# KiCad board NCU.kicad_pcb (continued)
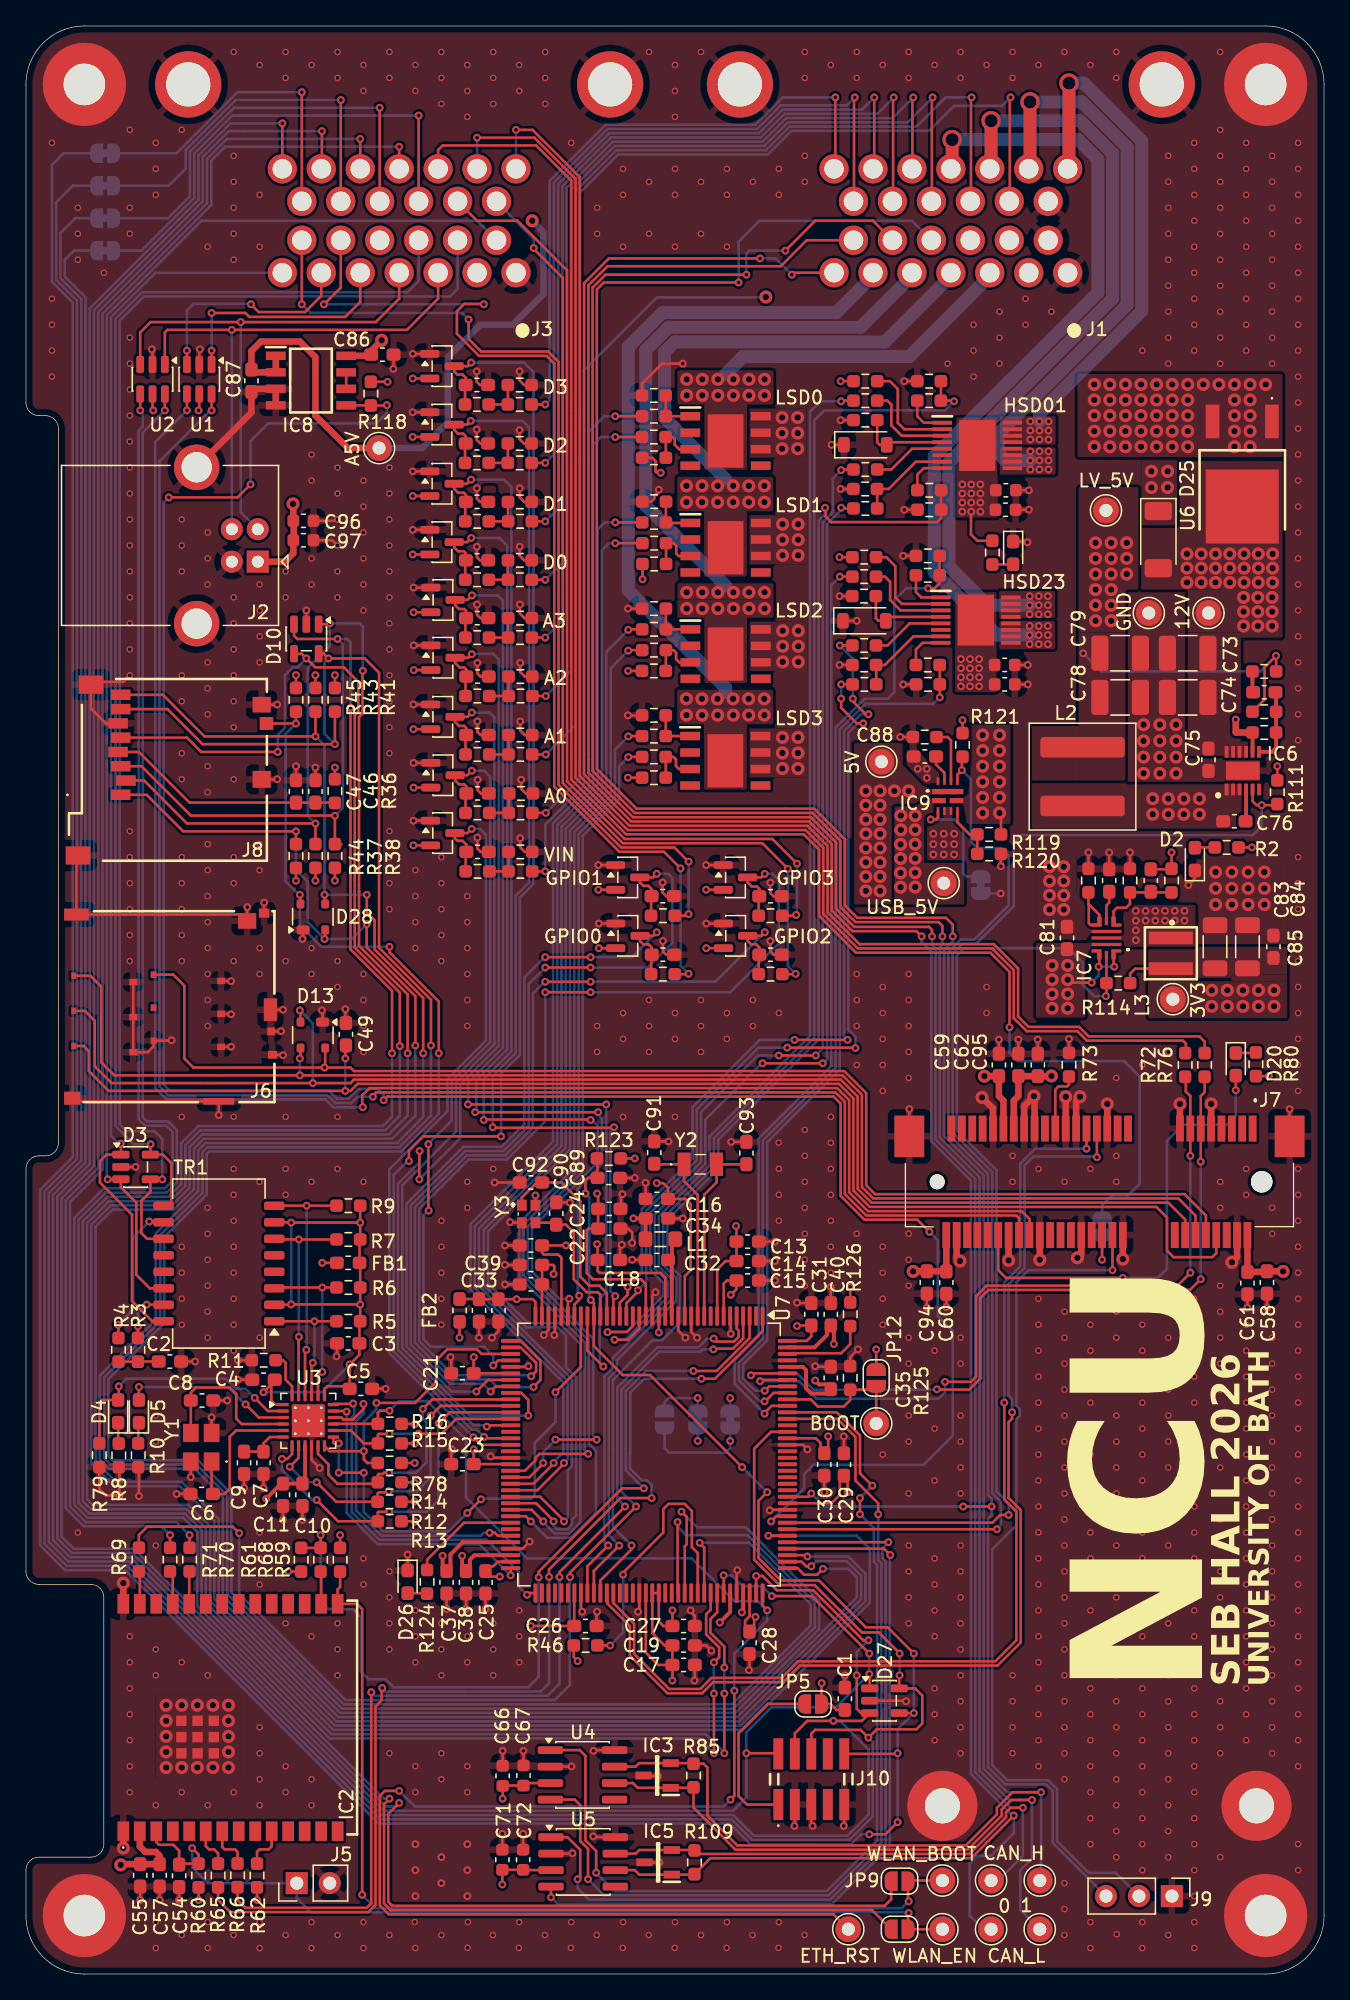
[diagram p0: board, top side]
## Routing (per net, layer and track width the routed paths; a pad name or vN(x,y) marks a point on that pad's centre or on a via; arc(x,y) is an arc through that point) (continued)
  Bottom w0.2: 82.45,62.95 77.61,62.95 76.93,62.26 76.93,54.36 75.7,53.13 75.7,44.52 75.97,44.25 75.97,43.75 75.97,43.75 v3(75.97,43.25)
/MCU/PCIE_UART_RTS: length 82.2
  Top w0.2: v3(75.37,44) 75.37,36.53 76.3,35.6 76.3,25.7 74.68,24.08 59.46,24.08 58.19,22.8 52.8,22.8 51.95,21.95 49.55,21.95 46.85,24.65 46.85,26.97 45.25,28.57 U7.85 ; J7.25 v3(81.7,63.55)
  Bottom w0.2: v3(75.37,44) 75.37,53.27 76.6,54.5 76.6,62.4 77.75,63.55 v3(81.7,63.55)
/MCU/PCIE_W_DISABLE: length 117.2
  Top w0.2: v3(60.5,37) 60.25,36.75 U7.120 ; IC9.9 71.76,92.36 v3(72.1,92.7) 72.1,93.67 72.15,93.72 ; v3(74.38,36) v3(72.2,36)
  Bottom w0.2: v3(72.1,92.7) 72.8,92 72.8,87.2 73.3,86.7 75.1,86.7 75.7,86.1 75.7,83.45 75.7,83.45 75.7,82.3 73.05,79.65 72,79.65 71.73,79.38 71.73,79.36 71.06,78.69 71.06,64.68 74.11,61.62 74.11,36.89 74.38,36.62 v3(74.38,36) 74.38,35.31 74.11,35.04 74.11,15.94 75.46,14.6 77.95,14.6 77.95,14.6 78.45,14.6 78.45,14.6 78.6,14.6 79.1,14.1 79.1,10.1 J9.3 ; v3(60.5,37) 61.5,36 v3(72.2,36)
/MCU/RCC_OSC32_IN: length 14.4
  Top w0.2: C93.1 Y2.2 53.2,60.95 52.25,60 U7.10
/MCU/RCC_OSC32_OUT: length 14.5
  Top w0.2: C91.1 48.44,62.35 Y2.1 50.7,61.05 51.75,60 U7.11 51.7,50.71
/MCU/RCC_OSC_IN: length 16.6
  Top w0.2: U7.25 44.75,52.43 44.17,53 43.4,53 42.7,53.7 42.7,59.5 41.25,60.95 C92.1 39.34,60.95 38.2,59.81 Y3.1 37.97,59.43
/MCU/RCC_OSC_OUT: length 11.1
  Top w0.2: U7.26 44.25,52.3 44.05,52.5 43.2,52.5 42.2,53.5 42.2,57.1 41.6,57.7 C90.1 ; Y3.3 40.8,57.85 40.95,57.7
/MCU/STM_NRST: length 261
  Top w0.2: 44,63 43.99,62.99 R123.2 44.04,62.75 C89.1 43.3,61.3 43.1,61.1 v3(43.1,60.1) ; v3(68.4,24.68) 66.38,26.7 64.7,26.7 61.1,30.3 58.16,30.3 56.43,32.03 56.43,36.43 v3(57.1,37.1) ; v3(64.97,10.76) 66.21,10.76 v3(67.15,11.69) ; D27.4 v3(68.4,20.09) ; v3(67.15,17) 67.1,16.95 J10.10 ; v3(55.17,39.03) 48.08,46.12 45.98,46.12 43.75,48.35 U7.27 43.75,51.66 v3(43.51,51.9)
  Bottom w0.2: v3(43.1,60.1) 43.4,59.8 43.4,52.01 v3(43.51,51.9) ; v3(68.4,24.68) v3(68.4,20.09) 67.15,18.84 v3(67.15,17) v3(67.15,11.69) ; v3(57.1,37.1) v3(55.17,39.03) ; v3(64.97,10.76) 64.32,10.76 63.56,9.99 55.81,9.99 54.21,11.59 27.16,11.59 7.65,31.1 3,31.1 1.1,33 1.1,60.4 3.6,62.9 3.6,128.71 2,130.31 2,139.3 2.9,140.2 JP4.2
/MCU/VCAP: length 81.2
  Top w0.3: v3(60.8,45.7) 61.1,45.4 61.8,45.4 62,45.2 C35.1 62,44.8 61.9,44.7 60.5,44.7 60.1,45.1 60.1,46.5 59.85,46.75 U7.140 ; U7.103 54.25,27.87 v3(53.45,27.07) ; v3(32.1,32.2) 32.1,31.3 32.38,31.03 C37.1 32.62,31.03 32.7,31.1 32.7,32.3 33.65,33.25 U7.68
  In1.Cu w0.5: 53,35.8 60.8,43.6 v3(60.8,45.7) ; 53,35.8 53,30.39 53.44,29.95 53.45,29.95 v3(53.45,27.07) 53.45,29.94 51.29,32.1 35.8,32.1 33.8,34.1 32.5,34.1 32.1,33.7 v3(32.1,32.2) ; 53,35.8 53,39.8 v3(54.25,41.05)
  Bottom w0.2: JP7.1 v3(54.25,41.05) 54.25,40.5 53.9,40.15 49.55,40.15 49.2,40.5 JP8.1
/MCU/VFBSMPS: length 13.4
  Top w0.2: U7.17 v3(48.75,49.4)
  In1.Cu w0.5: v3(54.25,44.35) 54.25,43.65 53.8,43.2 51.3,43.2 48.75,45.75 v3(48.75,49.4)
  Bottom w0.2: JP7.2 v3(54.25,44.35)
/MCU/VLXSMPS: length 6.3
  Top w0.3: L1.1 49.76,56.32 49.76,55.28 C32.1 49.75,54.69 U7.15
/MCU/VREF+: length 16.2
  Top w0.2: FB2.2 34.89,51.97 C33.1 C36.1 39.04,51.96 39.25,51.75 U7.36 ; U7.35 39.75,53.09 C41.1 C39.1 40.6,54.6 40.7,54.5 40.7,53.95 v3(40.65,53.9)
  In1.Cu w0.2: v3(37.8,51.96) 38.71,51.96 v3(40.65,53.9)
/MOD_PCIE/UART_RX: length 61
  Top w0.2: v3(70.17,45.02) 70.15,45 72.66,45 73.53,45.86 73.53,52.06 74.14,52.67 89.67,52.67 v3(90.5,53.5) ; R76.2 90.8,67.9 90.5,67.6 J7.11 v3(90.5,62.55) ; v3(55.85,46.1) 56,46.25 U7.139
  Bottom w0.2: v3(90.5,62.55) v3(90.5,53.5) ; v3(70.17,45.02) 70.15,45 60.65,45 59.4,46.25 56,46.25 v3(55.85,46.1)
/MOD_PCIE/UART_TX: length 59.2
  Top w0.2: v3(89.7,54) 88.7,53 74,53 73.2,52.2 73.2,46 72.8,45.6 v3(70.8,45.6) ; v3(56.55,45.65) 56.65,45.75 U7.138 ; v3(89.7,63) J7.13 89.7,67.6 89.35,67.95 89.35,69.04 R72.2
  Bottom w0.2: v3(56.55,45.65) 59.54,45.65 60.89,44.3 70.3,44.3 70.8,44.8 v3(70.8,45.6) ; v3(89.7,63) v3(89.7,54)
/PWR/PWR_3V3/TPS_CF: length 5.1
  Top w0.2: R115.2 81.85,82.4 81.88,82.38 ; 81.88,82.38 81.88,80.92 82.03,80.78 IC7.7 82.62,80.78 82.69,80.84 IC7.12 82.69,81.56 81.88,82.38
/PWR/PWR_3V3/TPS_FB: length 6.8
  Top w0.2: IC7.11 83.79,81.84 84.05,82.1 84.75,82.1 85.05,82.4 R117.2 R116.1 ; IC7.5 83.8,80.78 83.8,81.15
/PWR/PWR_LV_5V/LMR_FB: length 5.8
  Top w0.3: C77.2 96.31,98.65 R112.2 ; IC6.7 96,94.11 96.31,94.41 R110.1 R112.2 ; R112.2 96.37,97.14
/PWR/PWR_LV_5V/LMR_SW:
  vias: v2(86.8,90.5) v2(86.8,89.3) v2(88,90.5) v2(88,89.3) v2(89.2,90.5) v2(89.2,89.3) v2(90.4,90.5) v2(90.4,89.3)
LV_5V: length 24.7
  Top w0.2: v2(75,89.4) 75.11,89.29 R119.1 ; R113.1 96.31,101.49 v3(96.3,101.5) 95.42,100.62 95.42,98.14 R112.1 ; 81.43,101.69 v3(81.44,101.7) ; 82.17,97.74 C78.1
  Bottom w0.2: v3(81.44,101.7) 82.84,100.3 95.1,100.3 v3(96.3,101.5)
  vias: v2(73.7,95.4) v2(73.7,94.2) v2(73.7,93) v2(73.7,91.8) v2(73.7,90.6) v2(73.7,89.4) v2(75,95.4) v2(75,94.2) v2(75,93) v2(75,91.8) v2(75,90.6) v2(82.4,110.2) v2(82.4,109) v2(82.4,107.8) v2(82.4,106.6) v2(82.4,105.4) v2(82.4,104.2) v2(83.6,110.2) v2(83.6,109) v2(83.6,107.8) v2(83.6,106.6) v2(83.6,105.4) v2(83.6,104.2) v2(84.8,110.2) v2(84.8,109) v2(84.8,107.8)
USB_VBUS: length 163.7
  Top w0.2: U2.5 9.75,120.45 v3(9.8,120.4) ; v3(13.3,120.4) 13.35,120.45 U1.5 ; v3(42.5,24.1) 42.2,24.4 R46.2
  Top w0.5: v2(20.58,113.2) 20.6,113.17 C96.1 ; 20.6,111.5 20.62,111.47 20.62,110.2 ; 17.91,108.7 J2.1 19.95,108.75 20.6,109.4 C97.1
  In1.Cu w0.2: v3(9.8,120.4) 9.8,121.1 10.3,121.6 14.7,121.6 20.58,115.72 v2(20.58,113.2) 20.5,113.2 v3(13.3,120.4) ; v3(42.5,24.1) 51.5,24.1 52.9,22.7 58.7,22.7 69,33 69,49.9 62.6,56.3 62.6,95.9
  In1.Cu w1: J3.2 32.92,129.17 25.27,129.17 23.4,127.3 21.5,127.3 20.6,126.4 20.6,113.22 v2(20.58,113.2)
  vias: v2(67.4,89.2) v2(67.4,88.1) v2(67.38,86.99) v2(67.38,85.89) v2(67.38,84.79) v2(67.38,83.69) v2(68.5,89.2) v2(68.5,88.1) v2(68.5,87) v2(68.5,85.9) v2(68.5,84.8) v2(68.5,83.7)
Net-(C2-Pad1): length 3.1
  Top w0.2: C2.1 8.64,47.16 R3.2 R4.2
Net-(C77-Pad1): length 1.6
  Top w0.3: C77.1 94.48,98.75 R113.2
Net-(D1-A): length 1.6
  Top w0.2: R1.2 76.04,108.54 D1.2
Net-(D2-A): length 1.5
  Top w0.2: D2.2 90.07,86.75 R2.2
Net-(D4-A): length 19.7
  Top w0.2: D4.2 5.85,44.2 5.65,44 R79.1 ; 7.15,44.2 v3(7.15,45.25) ; v3(17.62,44.36) 18.64,43.35 U3.2
  Bottom w0.2: v3(7.15,45.25) 7.75,45.85 15.38,45.85 16.16,45.06 16.92,45.06 v3(17.62,44.36)
Net-(D4-K): length 1.6
  Top w0.2: R8.2 7.1,40.9 D4.1
Net-(D5-A): length 13.1
  Top w0.2: D5.2 v3(8.7,45.2) ; v3(16.92,43.86) 17.94,42.85 U3.3
  Bottom w0.2: v3(16.92,43.86) 16.9,43.86 15.56,45.2 v3(8.7,45.2)
Net-(D5-K): length 1.6
  Top w0.2: D5.1 8.65,42.4 R10.1
Net-(D7-A): length 6.9
  Top w0.2: R32.1 65.47,104.4 65.67,104.2 D7.2 66.54,104.5 IC1.4
Net-(D20-A): length 35.3
  Top w0.2: v3(84.5,53.6) 75.5,53.6 74.9,54.2 J7.42 ; D20.2 v3(93.2,68.05)
  Bottom w0.2: v3(93.2,68.05) 93.2,66.1 92.5,65.4 89.15,65.4 87.9,64.15 87.9,54.3 87.2,53.6 v3(84.5,53.6)
Net-(D20-K): length 1.6
  Top w0.2: R80.2 94.71,70.93 D20.1
Net-(D23-A): length 6.9
  Top w0.2: 65.58,119.65 65.58,117.94 65.76,117.75 D23.2 66.51,117.95 IC4.4
Net-(D26-A): length 1.5
  Top w0.2: R124.2 30.86,29.32 D26.2
Net-(IC1-CS): length 7.4
  Top w0.2: R29.2 65.5,100.79 R31.2 66.17,100.8 68.38,103 IC1.7
Net-(IC1-INPUT0): length 3.4
  Top w0.2: R26.2 68.56,106.41 68.97,106 IC1.1
Net-(IC1-INPUT1): length 3.3
  Top w0.2: IC1.8 69.08,102.5 68.56,101.99 R30.2
Net-(IC1-SEL0): length 5.7
  Top w0.2: R28.2 66.38,102.3 68.08,104 IC1.5
Net-(IC1-SEN): length 6.9
  Top w0.2: R27.2 66.17,107.6 66.58,107.2 66.58,105.8 67.38,105 IC1.3
Net-(IC1-~{FAULTRST}): length 7.9
  Top w0.2: R33.2 66.28,109.1 66.97,108.4 66.97,106 67.47,105.5 IC1.2
Net-(IC2-EN): length 69.6
  Top w0.2: IC2.3 10.04,10.16 10.25,9.95 11.35,9.95 11.8,9.5 C54.1 11.88,8.5 R60.2 13.3,9.2 v3(12.8,9.7) ; TP11.1 JP10.2 67.95,4.65 v3(68,4.7)
  Bottom w0.2: v3(68,4.7) 67.95,4.75 21.95,4.75 20.86,5.84 J5.1 14,7 12.8,8.2 v3(12.8,9.7)
Net-(IC2-IO2): length 2.5
  Top w0.2: R69.1 8.77,30.93 IC2.27
Net-(IC2-IO6): length 3.1
  Top w0.2: IC2.6 13.85,9.85 14.1,9.6 14.5,9.6 14.8,9.3 R65.2
Net-(IC2-IO7): length 3.4
  Top w0.2: IC2.7 15.12,9.78 15.3,9.6 16.1,9.6 16.3,9.4 R66.2
Net-(IC2-IO8): length 3.4
  Top w0.2: IC2.10 18.93,9.83 18.7,9.6 18,9.6 17.8,9.4 R62.2
Net-(IC2-IO9): length 73.6
  Top w0.2: v3(68,5.6) 67.95,5.65 JP9.2 68,7.2 TP10.1 ; v3(25.9,6.1) 25.9,28.1 25.5,28.5 IC2.15 24.01,29.61 24.2,29.8 R59.2
  Bottom w0.2: v3(25.9,6.1) 26.92,5.08 67.48,5.08 v3(68,5.6)
Net-(IC2-IO18): length 2.5
  Top w0.2: R68.2 22.74,30.95 IC2.16
Net-(IC2-RXD0): length 2.5
  Top w0.2: IC2.24 12.58,30.98 R70.1
Net-(IC2-TXD0): length 2.6
  Top w0.2: R71.1 11.31,30.79 IC2.25
Net-(IC4-CS): length 7.4
  Top w0.2: 65.58,112.85 65.58,114.34 R101.2 66.46,114.35 68.56,116.45 IC4.7
Net-(IC4-INPUT0): length 3.3
  Top w0.2: IC4.1 69.16,119.45 68.66,119.95 R96.2
Net-(IC4-INPUT1): length 3.3
  Top w0.2: R100.2 68.67,115.46 69.16,115.95 IC4.8
Net-(IC4-SEL0): length 5.7
  Top w0.2: IC4.5 68.26,117.45 66.66,115.85 65.58,115.85
Net-(IC4-SEN): length 7.1
  Top w0.2: 65.58,121.15 66.36,121.15 66.66,120.85 66.66,119.25 67.46,118.45 IC4.3
Net-(IC4-~{FAULTRST}): length 8.1
  Top w0.2: IC4.2 67.66,118.95 67.16,119.45 67.16,122.05 66.56,122.65 65.58,122.65
Net-(IC6-AGND): length 2.8
  Top w0.3: R110.2 94.49,95.59 IC6.8
  Top w0.5: NT2.2 R110.2
Net-(IC6-BOOT): length 2.5
  Top w0.2: 93.99,88.8 C76.2
  Top w0.3: IC6.4 93.99,88.8
Net-(IC7-SS/TR): length 2.3
  Top w0.2: C80.1 83.45,82.5 83.24,82.29 IC7.6
Net-(IC7-SW): length 0
  Top w0.2: 88.19,79.78 L3.1
  vias: v3(85.5,81.86) v3(85.5,81.11) v3(85.5,80.36) v3(85.5,79.61) v3(86.25,81.86) v3(86.25,81.11) v3(87,81.86) v3(87,81.11) v3(87.75,81.86) v3(87.75,81.11) v3(88.5,81.86) v3(88.5,81.11) v3(89.25,81.86) v3(89.25,81.11)
Net-(IC8-FEEDBACK): length 1.3
  Top w0.2: IC8.7 IC8.6
Net-(IC9-CP2): length 8.8
  Top w0.2: IC9.3 70.26,89.06 70.1,88.9 v3(69.7,88.9)
  Bottom w0.2: v3(69.7,88.9) 71.5,88.9 72.2,88.2 72.2,84.75 72.45,84.5 JP11.1
Net-(IC9-ILIM): length 4.4
  Top w0.2: IC9.10 71.26,94.99 71,95.25 R122.1
Net-(IC9-PR1): length 4.3
  Top w0.2: IC9.6 71.76,88.69 72.7,87.75 R119.2 R120.1
Net-(IC9-SS): length 2.2
  Top w0.2: IC9.11 70.76,92.48 70.11,93.13 C88.1 70.13,93.72
Net-(J2-D+): length 41.9
  Top w0.2: U2.1 10.7,126.4 10.9,126.6 29.35,126.6 31.75,129 J3.3
  Bottom w0.2: v3(15.86,126.6) J2.3
Net-(J2-D-): length 42
  Top w0.2: J3.4 28.75,129 26.95,127.2 v3(16.55,127.2) 9.6,127.2 8.8,126.4 U2.3
  Bottom w0.2: v3(16.55,127.2) 16.55,112.56 J2.2
Net-(J3-Pad5): length 18.3
  Top w0.2: U1.1 v3(14.3,125) ; J3.5 25.75,128.75 24.6,127.6 17.2,127.6 16.9,127.9 v3(14.3,127.9)
  Bottom w0.2: v3(14.3,125) v3(14.3,127.9)
Net-(J3-Pad6): length 17.3
  Top w0.2: v3(17.33,128.57) 17.93,127.97 21.5,127.97 22.75,129.22 J3.6 ; U1.3 v3(12.4,125)
  Bottom w0.2: v3(12.4,125) 12.4,128.1 12.9,128.6 17.3,128.6 v3(17.33,128.57)
Net-(J7-Pad31): length 4.8
  Top w0.2: R73.1 80.35,68.5 80.2,68.35 79.55,68.35 79.3,68.1 J7.31
Net-(J8-VDD): length 18.3
  Top w0.2: J8.4 8.7,94.1 12.6,90.2 C47.1 C46.1 23.78,90.2 R36.1
Net-(J9-Pin_2): length 66.8
  Top w0.2: J7.20 v3(83.7,54.2)
  Bottom w0.2: v3(83.7,54.2) 77.23,54.2 76.3,53.27 76.3,43.77 76.57,43.5 76.57,43 76.3,42.73 76.3,34.56 74.44,32.7 74.44,16.08 75.59,14.93 78.73,14.93 79.43,14.24 79.43,10.24 81.86,7.8 83.94,7.8 J9.2 85.4,6
Net-(JP1-A): length 36.4
  Top w0.2: J3.16 v3(30.25,143.1)
  Bottom w0.2: JP1.1 8.9,132.7 12.96,136.76 12.96,140.17 15.89,143.1 20,143.1 20,143.1 v3(30.25,143.1)
Net-(JP2-A): length 33.2
  Top w0.2: J3.17 v3(27.25,143.7)
  Bottom w0.2: JP2.1 10.94,135.2 12.63,136.9 12.63,140.31 16.03,143.7 v3(27.25,143.7)
Net-(JP3-A): length 28.9
  Top w0.2: J3.18 24.25,144.29 v3(24.26,144.3)
  Bottom w0.2: JP3.1 11,137.7 12.31,139.01 12.31,140.44 16.16,144.3 v3(24.26,144.3)
Net-(JP4-A): length 24.8
  Top w0.2: J3.19 v3(21.25,144.9)
  Bottom w0.2: v3(21.25,144.9) 16.3,144.9 11.6,140.2 JP4.1
Net-(JP5-A): length 14.2
  Top w0.2: JP5.1 57.14,20.79 54.9,18.55 54.9,13.7 55.55,13.05 J10.1
Net-(JP12-A): length 11.1
  Top w0.2: 65.4,42.4 65.5,42.5 JP12.1 65.24,44.99 R125.1 63.5,44.2 63,43.7 61,43.7 60.45,44.25 U7.135
Net-(JP13-A): length 3.8
  Top w0.2: v3(82.9,55) J7.22
  Bottom w0.2: v3(82.9,55) J7.22
Net-(R17-Pad2): length 3
  Top w0.2: R18.1 R17.2 R19.1
Net-(R39-Pad2): length 3
  Top w0.2: R40.1 37.17,98.42 R39.2 R42.1
Net-(R47-Pad2): length 3
  Top w0.2: 37.22,90.91 37.2,90.88 37.2,89.41 R49.1
Net-(R50-Pad2): length 3
  Top w0.2: R52.1 R50.2 R51.1
Net-(R53-Pad2): length 3
  Top w0.2: R55.1 R53.2 37.14,111.87 R54.1
Net-(R56-Pad2): length 3
  Top w0.2: R57.1 R56.2 R58.1
Net-(R63-Pad2): length 3
  Top w0.2: R64.1 R63.2 R67.1
Net-(R74-Pad2): length 3
  Top w0.2: R77.1 R74.2 R75.1
Net-(R81-Pad2): length 3
  Top w0.2: R82.1 R81.2 R83.1
Net-(S1-IN): length 3.5
  Top w0.2: S1.1 49.34,111.73 R20.1 49.3,113.36 R22.1
Net-(S1-STATUS): length 4.2
  Top w0.2: S1.3 50.28,109.19 50.1,109.37 50.1,109.97 49.9,110.17 R21.1 R23.2
Net-(S2-IN): length 3.5
  Top w0.2: S2.1 R86.1 49.29,121.54 R88.1
Net-(S2-STATUS): length 4.2
  Top w0.2: 49.34,118.41 R87.1 ; R87.1 49.29,118.34 R89.2 ; R87.1 49.83,118.35 49.98,118.2 49.98,117.75 50.32,117.41 S2.3
Net-(S3-IN): length 3.5
  Top w0.2: S3.1 R90.1 R92.1
Net-(S3-STATUS): length 4.2
  Top w0.2: R93.2 49.3,100.35 R91.1 49.88,101.94 50.08,101.74 50.08,101.24 50.32,101 S3.3
Net-(S4-IN): length 3.5
  Top w0.2: S4.1 49.29,95.32 R104.1 R106.1
Net-(S4-STATUS): length 4.2
  Top w0.2: R107.2 R105.1 49.87,93.72 50.07,93.52 50.07,93.02 50.31,92.78 S4.3
Net-(TR1-C_RD): length 48.3
  Top w0.2: TR1.7 20.41,57.88 v3(20.42,57.86) 25.74,57.86 v3(25.75,57.85) ; v3(25.75,57.85) R9.1 ; v3(25.75,57.85) R7.1 25.7,56.51 FB1.1 25.75,54.71 R6.1 v3(25.75,51.55) ; U3.1 19.21,43.85 18.9,44.16 18.9,45.5 C4.1 19.16,45.66 v3(18.3,44.8) ; v3(25.75,51.55) 25.7,51.55 25.69,51.56 v3(20.42,51.56) 20.39,51.53 TR1.2 ; v3(25.75,51.55) R5.1 25.69,50.2 C3.1 25.69,47.69 v3(24.94,46.94) C5.1 24.94,45.12 24.8,45.26 23.2,45.26 23,45.06 U3.19
  Bottom w0.2: v3(24.94,46.94) 22.8,44.8 v3(18.3,44.8) ; v3(20.42,57.86) v3(20.42,51.56)
Net-(TR1-C_RX): length 11.1
  Top w0.2: TR1.10 9.56,57.88 v3(9.5,57.94) ; R4.1 7.12,49.82 7.1,49.84 v3(7.1,49.99)
  Bottom w0.2: v3(7.1,49.99) 7.1,50 8.25,51.15 8.25,56.7 9.49,57.94 v3(9.5,57.94)
Net-(TR1-C_TX): length 4.2
  Top w0.2: v3(9.3,51.54) 9.31,51.53 TR1.15 ; v3(8.62,49.86) R3.1
  Bottom w0.2: v3(9.3,51.54) 8.62,50.87 v3(8.62,49.86) 8.6,49.89
Net-(TR1-RD+): length 16.9
  Top w0.2: v3(21.03,49.06) 21,49.04 U3.23 ; 23.92,56.56 19.17,56.56 TR1.6
  Bottom w0.2: v3(21.03,49.06) 21.03,49.06 21.03,56.46 21.03,56.46 v3(21.03,56.56)
Net-(TR1-RD-): length 19.5
  Top w0.2: 23.92,59.16 19.14,59.16 TR1.8 ; v3(21.6,48.06) 21.5,47.96 U3.22
  Bottom w0.2: v3(21.62,59.16) 21.63,59.16 21.63,51.56 21.62,51.56 21.62,48.09 v3(21.6,48.06)
Net-(TR1-TD+): length 10.6
  Top w0.2: v3(22.1,47.06) 22,46.96 U3.21 ; 23.92,50.26 TR1.1
  Bottom w0.2: v3(22.1,47.06) 22.22,47.19 v3(22.22,50.26)
Net-(TR1-TD-): length 13.3
  Top w0.2: v3(22.83,46.36) 22.5,46.04 U3.20 ; TR1.3 19.19,52.86 23.92,52.86
  Bottom w0.2: v3(22.83,46.36) v3(22.83,52.86)
Net-(U3-RBIAS): length 3.6
  Top w0.2: U3.24 20.5,45.26 20,45.76 20,47.06 19.8,47.26 R11.2
Net-(U3-VDDCR): length 3.9
  Top w0.2: U3.6 18.79,41.35 18.3,40.86 18.3,40.22 16.8,40.22
Net-(U3-XTAL1/CLKIN): length 12.3
  Top w0.2: U3.5 16.19,41.85 15.7,41.36 15.7,37.36 15.3,36.96 C6.1 14.3,37.06 Y1.1
Net-(U3-XTAL2): length 12.7
  Top w0.2: Y1.3 C8.1 12.7,44.76 13.1,45.16 15.7,45.16 16.2,44.66 16.2,42.76 16.61,42.35 U3.4
Net-(U7-PA9): length 22.3
  Top w0.2: R46.1 v3(45,25.3) ; U7.98 51.75,32.42 51.3,32.87 51.3,35.65 50.75,36.2 49.5,36.2 49.1,35.8 49.1,34 46,30.9 v3(46,30.75)
  Bottom w0.2: v3(45,25.3) 46,26.3 v3(46,30.75)
Net-(U7-PDR_ON): length 6.5
  Top w0.2: R126.2 63.5,48.5 62.8,47.8 58.71,47.8 U7.142
Net-(U7-PE15): length 8.4
  Top w0.2: U7.65 33.75,34.75 30.9,31.9 R124.1

## Copper pours and planes (outline as drawn; the poured copper is in the pictures)
3V3 on Top: 92.85,76.95 97.15,76.95 97.15,76.2 92.85,76.2
3V3 on Top: 97.15,79.1 97.15,76.7 86.45,76.7 86.45,79.1
3V3 on Top, Bottom: 86.45,76.44 97.15,76.44 97.15,73.59 86.45,73.59
3V3 on In1.Cu: 100,0 100,150 0,150.2 0,0
5V on Top: 67.55,93.1 67.55,94.8 63.8,94.8 63.8,93.1
5V on Top, Bottom: 67.55,93.1 69.1,91.5 69.8,91.25 72.2,91.25 72.2,90.85 69.81,90.85 68.42,89.91 66.7,89.9 63.8,89.9 63.8,93.1
5V on Top, Bottom: 84.39,79.39 77.8,79.39 77.8,73.64 81.6,73.64 81.6,78.14 82.09,79.16 84.39,79.16
5V on Top, Bottom: 63.8,89.9 63.8,82.35 66.7,82.36 66.7,89.9
5V on In1.Cu: 66.6,90.1 68.94,90.1 68.94,94.7 63.64,94.7 63.64,80 78.14,73.4 85.14,73.4 85.14,80 78.14,80 66.6,83.1
12V on Top, Bottom: 81,123.2 96.8,123.2 96.8,116.8 81,116.8
12V on In1.Cu: 74.2,135 97,135 97,116.7 74.2,116.7
12V_PRT on Top: 89,106.6 92,106.6 92,103 89,103
12V_PRT on Top: 94.29,93.6 89.39,93.6 89.39,103.3 93.59,103.3 93.59,94.9 94.29,94.9
12V_PRT on Top: 88.84,106.4 88.84,111.4 85.74,111.4 85.74,106.4
12V_PRT on Top, Bottom: 71.58,106.4 74.78,106.4 74.78,98.7 71.58,98.7
12V_PRT on Top, Bottom: 71.66,119.85 74.86,119.85 74.86,112.15 71.66,112.15
12V_PRT on Top, Bottom: 96.8,102.9 96.8,116.5 88.8,116.5 88.8,102.9
12V_PRT on In1.Cu: 69.4,116.7 69.4,97.9 77,97.9 77,113 87,113 87,102.4 97,102.4 97,116.7
A5V on In1.Cu: 74.2,140.7 74.2,131.1 60,131.1 60,140.7
GND on Top: 55.6,100.33 55.6,104.13 60.2,104.13 60.2,100.33
GND on Top: 70.35,91.58 70.35,92.48 68.7,94.22 68.7,93.42 67.85,93.42 67.85,93.1 69.2,91.7 70.17,91.7 70.17,91.58
GND on Top: 55.57,92.12 55.57,95.92 60.17,95.92 60.17,92.12
GND on Top: 55.58,108.54 55.58,112.34 60.18,112.34 60.18,108.54
GND on Top: 55.55,116.75 55.55,120.55 60.15,120.55 60.15,116.75
GND on Top, Bottom: 97.15,79.1 90.15,79.1 90.15,85.85 97.15,85.85
GND on Top, Bottom: 70.67,89.85 71.35,89.85 71.35,88.85 72.5,87.7 72.5,85.6 69.3,85.6 69.3,88.2 70.67,89.05
GND on Top, Bottom: 85.94,111.56 88.68,111.56 88.68,116.51 85.94,116.51
GND on Top, Bottom: 100,0 100,150 0,150 0,0
GND on Top, Bottom: 10,21.5 16.5,21.5 16.5,15 10,15
GND on Top, Bottom: 84.39,80.17 84.39,80.38 82.05,80.38 81.9,81.76 80.95,83.26 80.95,86.16 77.8,86.16 77.8,79.61 81.65,79.61 82.05,80.17
GND on Top, Bottom: 95.04,91.8 95.04,93.6 89.29,93.6 89.29,106.4 84.89,106.4 84.89,91.8
GND on In2.Cu: 0,150 100,150 100,0 0,0
(no net) on Top: 38.8,60.4 38.8,58.7 41,58.7 41,60.4
(no net) on Top: 35,114.59 35,113.29 36.2,113.29 36.2,114.59
/CONN_A/HSD_0 on Top: 75.03,119.95 75.03,117.75 79.32,117.75 79.32,119.95
/CONN_A/HSD_0 on Bottom: 79.34,117.7 79.34,119.9 76.64,119.9 76.64,117.7
/CONN_A/HSD_1 on Top: 75.03,117.65 75.03,115.45 79.32,115.45 79.32,117.65
/CONN_A/HSD_1 on Bottom: 79.34,115.4 79.34,117.6 76.64,117.6 76.64,115.4
/CONN_A/HSD_2 on Top: 74.97,106.5 74.97,104.3 79.28,104.3 79.28,106.5
/CONN_A/HSD_2 on Bottom: 79.28,104.3 79.28,106.5 76.58,106.5 76.58,104.3
/CONN_A/HSD_3 on Top: 74.97,104.2 74.97,102 79.28,102 79.28,104.2
/CONN_A/HSD_3 on Bottom: 79.28,102 79.28,104.2 76.58,104.2 76.58,102
/CONN_A/LSD_0 on Top: 57.58,122.26 57.58,120.86 50.18,120.86 50.18,122.26
/CONN_A/LSD_0 on Top: 57.58,123.49 57.58,122.09 50.18,122.09 50.18,123.49
/CONN_A/LSD_0 on Top: 55.55,115.82 52.25,115.82 52.25,122.22 55.55,122.22
/CONN_A/LSD_0 on Bottom: 57.6,120.84 57.6,123.49 50.2,123.49 50.2,120.84
/CONN_A/LSD_1 on Top: 55.53,107.6 52.23,107.6 52.23,114 55.53,114
/CONN_A/LSD_1 on Top: 57.57,114.03 57.57,112.63 50.17,112.63 50.17,114.03
/CONN_A/LSD_1 on Top: 57.57,115.29 57.57,113.89 50.17,113.89 50.17,115.29
/CONN_A/LSD_1 on Bottom: 57.57,112.6 57.57,115.3 50.17,115.3 50.17,112.6
/CONN_A/LSD_2 on Top: 57.58,105.84 57.58,104.44 50.18,104.44 50.18,105.84
/CONN_A/LSD_2 on Top: 55.55,99.41 52.25,99.41 52.25,105.81 55.55,105.81
/CONN_A/LSD_2 on Top: 57.58,107.09 57.58,105.69 50.18,105.69 50.18,107.09
/CONN_A/LSD_2 on Bottom: 57.59,104.4 57.59,107.1 50.19,107.1 50.19,104.4
/CONN_A/LSD_3 on Top: 57.57,97.63 57.57,96.23 50.17,96.23 50.17,97.63
/CONN_A/LSD_3 on Top: 55.53,91.2 52.23,91.2 52.23,97.6 55.53,97.6
/CONN_A/LSD_3 on Top: 57.56,98.89 57.56,97.49 50.16,97.49 50.16,98.89
/CONN_A/LSD_3 on Bottom: 57.57,96.25 57.57,98.9 50.17,98.9 50.17,96.25
/PWR/PWR_LV_5V/LMR_SW on Top, Bottom: 93.89,88.2 77.48,88.2 77.48,91.7 93.89,91.7
LV_5V on Top, Bottom: 75.85,88.55 72.5,88.55 72.2,90.15 72.17,90.53 72.6,90.9 72.85,93.5 72.85,96.2 75.85,96.2
LV_5V on Top, Bottom: 81.09,103.3 81.09,114.5 85.7,114.5 85.7,106.4 84.9,106.4 84.89,103.3
LV_5V on Top, Bottom: 77.49,91.9 77.49,96.1 81.19,96.1 81.19,91.9
LV_5V on Top, Bottom: 81.09,91.9 81.09,103.3 84.79,103.3 84.79,91.9
LV_5V on In1.Cu: 87,113 87,102.4 97,102.4 97,88.4 73,88.4 73,97.9 77,97.9 77,113
USB_VBUS on Top, Bottom: 72.28,82.36 72.28,85.56 66.7,85.56 66.7,82.36
USB_VBUS on Top, Bottom: 69.2,85.5 66.7,85.5 66.7,89.9 68.42,89.91 69.82,90.55 70.83,90.55 70.83,90.16 69.92,90.16 69.9,89.4 69.2,88.9
USB_VBUS on In1.Cu: 66.6,83.1 73,81.4 73.1,97.9 69.3,97.9 69.3,115 13,115 13,103 60.3,103 60.3,94.69 69,94.7 69,90.1 66.6,90.1
Net-(IC7-SW) on Top, Bottom: 82.1,79.9 82.1,79.66 84.39,79.66 84.65,79.1 90.1,79.1 90.1,82.31 84.6,82.31 84.4,79.9

## Text on the board
User.Drawings: CARD RETAINED | CARD PRESSED | MAX 4MM HEIGHT | NO COMPONENTS
F.Silkscreen: D3 | D2 | D1 | D0 | A3 | A2 | A1 | A0 | VIN | GPIO0 | GPIO1 | GPIO2 | LSD0 | LSD1 | LSD2 | LSD3 | GPIO3 | 0 | HSD23 | HSD01 | 1 | UNIVERSITY OF BATH | SEB HALL 2026 | NCU
